# Altium PCB FMC_DAC_125M_14B_16CHA.PcbDoc (part 1 of 9) (continued)
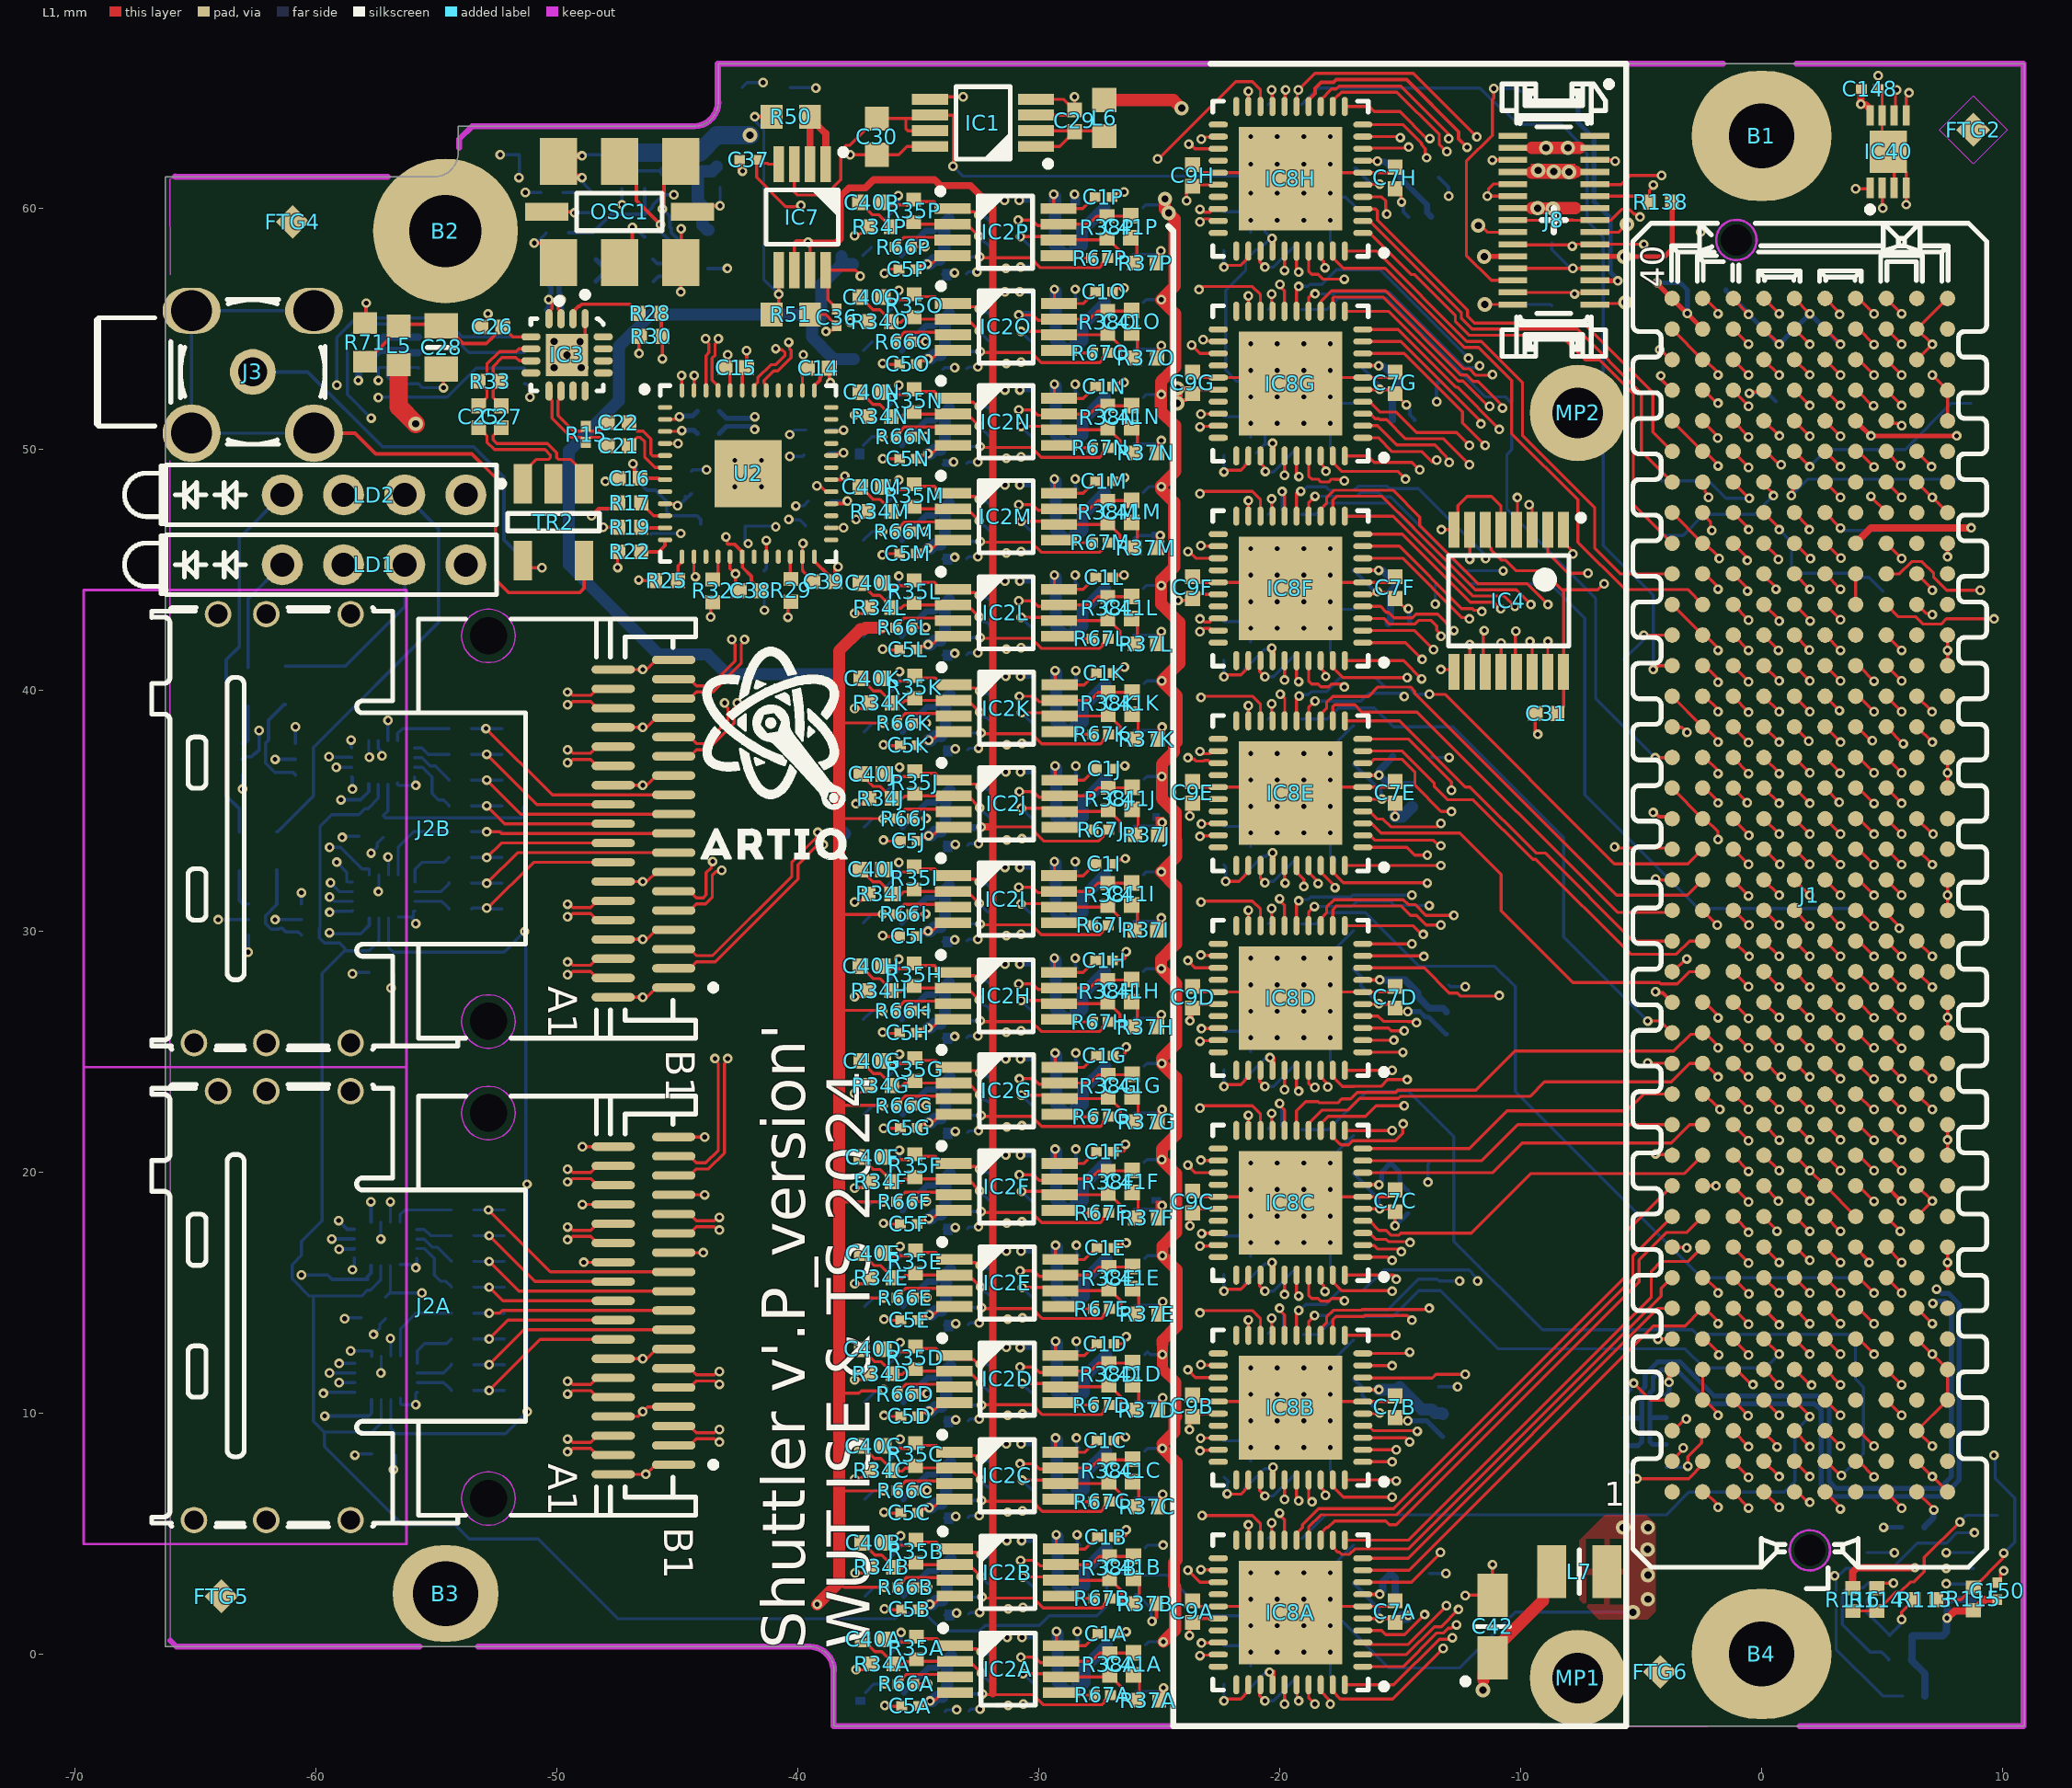
[diagram p0: L1 view]
## Classes and differential pairs
channel class AFE_Buffer: AFE_buffers0 AFE_buffers1
net class AFE1_CTRL_VADJ_[7..0]: AFE1_CTRL_VADJ_0 AFE1_CTRL_VADJ_1 AFE1_CTRL_VADJ_2 AFE1_CTRL_VADJ_3 AFE1_CTRL_VADJ_4 AFE1_CTRL_VADJ_5 AFE1_CTRL_VADJ_6 AFE1_CTRL_VADJ_7
net class AFE1_CTRL_[7..0]: AFE1_CTRL_0 AFE1_CTRL_1 AFE1_CTRL_2 AFE1_CTRL_3 AFE1_CTRL_4 AFE1_CTRL_5 AFE1_CTRL_6 AFE1_CTRL_7
net class AFE0_CTRL_VADJ_[7..0]: AFE0_CTRL_VADJ_0 AFE0_CTRL_VADJ_1 AFE0_CTRL_VADJ_2 AFE0_CTRL_VADJ_3 AFE0_CTRL_VADJ_4 AFE0_CTRL_VADJ_5 AFE0_CTRL_VADJ_6 AFE0_CTRL_VADJ_7
net class AFE0_CTRL_[7..0]: AFE0_CTRL_0 AFE0_CTRL_1 AFE0_CTRL_2 AFE0_CTRL_3 AFE0_CTRL_4 AFE0_CTRL_5 AFE0_CTRL_6 AFE0_CTRL_7
component class U_References: C29 C30 C36 C37 IC1 IC7 L6 R50 R51
component class AFE_buffers1: C32B C33B C34B C35B IC5B IC6B R40B R41B R42B R43B R44B R45B R46B R47B R48B R49B R60B R61B R62B R63B R64B R65B
component class AFE_buffers0: C32A C33A C34A C35A IC5A IC6A R40A R41A R42A R43A R44A R45A R46A R47A R48A R49A R60A R61A R62A R63A R64A R65A
component class U_DACs7: C7H C8H C9H C10H C12H C43H IC8H R3H R4H R11H R68H
component class U_DACs6: C7G C8G C9G C10G C12G C43G IC8G R3G R4G R11G R68G
component class U_DACs5: C7F C8F C9F C10F C12F C43F IC8F R3F R4F R11F R68F
component class U_DACs4: C7E C8E C9E C10E C12E C43E IC8E R3E R4E R11E R68E
channel class SAS_Connectors: U_SAS_Connectors0 U_SAS_Connectors1
channel class DACs: U_DACs0 U_DACs1 U_DACs2 U_DACs3 U_DACs4 U_DACs5 U_DACs6 U_DACs7
channel class DAC_AFE: U_DAC_AFE0 U_DAC_AFE1 U_DAC_AFE2 U_DAC_AFE3 U_DAC_AFE4 U_DAC_AFE5 U_DAC_AFE6 U_DAC_AFE7 U_DAC_AFE8 U_DAC_AFE9 U_DAC_AFE10 U_DAC_AFE11 U_DAC_AFE12 U_DAC_AFE13 U_DAC_AFE14 U_DAC_AFE15
component class U_Clock_circuit: C13 C14 C15 C16 C17 C18 C19 C20 C21 C22 C23 C24 C25 C26 C27 C28 C38 C39 C113 IC3 J3 L3 L4 L5 OSC1 R5 R6 R8 R9 R10 R14 R15 R16 R17 R18 R19 R20 R21 R22 R23 R24 R25 R26 R27 R28 R29 R30 R31 R32 R33 R69 R70 R71 TP1 TP2 TR2 U2
component class U_SAS_Connectors1: J2B
component class U_SAS_Connectors0: J2A
component class U_DACs1: C7B C8B C9B C10B C12B C43B IC8B R3B R4B R11B R68B
component class U_DACs0: C7A C8A C9A C10A C12A C43A IC8A R3A R4A R11A R68A
component class U_DACs3: C7D C8D C9D C10D C12D C43D IC8D R3D R4D R11D R68D
component class U_DACs2: C7C C8C C9C C10C C12C C43C IC8C R3C R4C R11C R68C
component class U_DAC_AFE15: C1P C2P C3P C4P C5P C6P C11P C40P C41P IC2P L1P L2P R1P R2P R34P R35P R36P R37P R38P R39P R66P R67P
component class U_DAC_AFE14: C1O C2O C3O C4O C5O C6O C11O C40O C41O IC2O L1O L2O R1O R2O R34O R35O R36O R37O R38O R39O R66O R67O
component class U_DAC_AFE13: C1N C2N C3N C4N C5N C6N C11N C40N C41N IC2N L1N L2N R1N R2N R34N R35N R36N R37N R38N R39N R66N R67N
component class U_DAC_AFE12: C1M C2M C3M C4M C5M C6M C11M C40M C41M IC2M L1M L2M R1M R2M R34M R35M R36M R37M R38M R39M R66M R67M
component class U_DAC_AFE11: C1L C2L C3L C4L C5L C6L C11L C40L C41L IC2L L1L L2L R1L R2L R34L R35L R36L R37L R38L R39L R66L R67L
component class U_DAC_AFE10: C1K C2K C3K C4K C5K C6K C11K C40K C41K IC2K L1K L2K R1K R2K R34K R35K R36K R37K R38K R39K R66K R67K
component class U_DAC_AFE9: C1J C2J C3J C4J C5J C6J C11J C40J C41J IC2J L1J L2J R1J R2J R34J R35J R36J R37J R38J R39J R66J R67J
component class U_DAC_AFE8: C1I C2I C3I C4I C5I C6I C11I C40I C41I IC2I L1I L2I R1I R2I R34I R35I R36I R37I R38I R39I R66I R67I
component class U_DAC_AFE7: C1H C2H C3H C4H C5H C6H C11H C40H C41H IC2H L1H L2H R1H R2H R34H R35H R36H R37H R38H R39H R66H R67H
component class U_DAC_AFE6: C1G C2G C3G C4G C5G C6G C11G C40G C41G IC2G L1G L2G R1G R2G R34G R35G R36G R37G R38G R39G R66G R67G
component class U_DAC_AFE5: C1F C2F C3F C4F C5F C6F C11F C40F C41F IC2F L1F L2F R1F R2F R34F R35F R36F R37F R38F R39F R66F R67F
component class U_DAC_AFE4: C1E C2E C3E C4E C5E C6E C11E C40E C41E IC2E L1E L2E R1E R2E R34E R35E R36E R37E R38E R39E R66E R67E
component class U_DAC_AFE3: C1D C2D C3D C4D C5D C6D C11D C40D C41D IC2D L1D L2D R1D R2D R34D R35D R36D R37D R38D R39D R66D R67D
component class U_DAC_AFE2: C1C C2C C3C C4C C5C C6C C11C C40C C41C IC2C L1C L2C R1C R2C R34C R35C R36C R37C R38C R39C R66C R67C
component class U_DAC_AFE1: C1B C2B C3B C4B C5B C6B C11B C40B C41B IC2B L1B L2B R1B R2B R34B R35B R36B R37B R38B R39B R66B R67B
component class U_DAC_AFE0: C1A C2A C3A C4A C5A C6A C11A C40A C41A IC2A L1A L2A R1A R2A R34A R35A R36A R37A R38A R39A R66A R67A
component class FMC_DAC_125M_14B_16CHA: C31 IC4 LD1 LD2 R52 R53 R58 R59 T1 T2 TP4 TP5 TP6 TP7 TP8 TP9 TP10 TP11
pad class Direc: B3-1 B4-1 J3-37 J3-38
pad class SMA: J6-2 J7-2
component class "U_FMC connector": B1 B2 B3 B4 J1 R7 R12 R54 R55 R56 R57 TP3
component class U_EEPROM_Temp: B14 B15 C148 C149 C150 FTG1 FTG2 FTG3 FTG4 FTG5 FTG6 IC38 IC39 IC40 R105 R111 R112 R113 R114 R115 R116
component class U_power_supply: C42 C275 J8 L7 MP1 MP2 R138 TP43 TP44
differential pair DCXO: +DCXO_P -DCXO_N
differential pair CLK1_M2C: +CLK1_M2C_P -CLK1_M2C_N
differential pair CLK0_M2C: +CLK0_M2C_P -CLK0_M2C_N
differential pair DAC_QOUTH: +DAC_QOUTH_P -DAC_QOUTH_N
differential pair DAC_QOUTG: +DAC_QOUTG_P -DAC_QOUTG_N
differential pair DAC_QOUTF: +DAC_QOUTF_P -DAC_QOUTF_N
differential pair DAC_QOUTE: +DAC_QOUTE_P -DAC_QOUTE_N
differential pair DAC_QOUTD: +DAC_QOUTD_P -DAC_QOUTD_N
differential pair DAC_QOUTC: +DAC_QOUTC_P -DAC_QOUTC_N
differential pair DAC_QOUTB: +DAC_QOUTB_P -DAC_QOUTB_N
differential pair DAC_QOUTA: +DAC_QOUTA_P -DAC_QOUTA_N
differential pair DAC_IOUTH: +DAC_IOUTH_P -DAC_IOUTH_N
differential pair DAC_IOUTG: +DAC_IOUTG_P -DAC_IOUTG_N
differential pair DAC_IOUTF: +DAC_IOUTF_P -DAC_IOUTF_N
differential pair DAC_IOUTE: +DAC_IOUTE_P -DAC_IOUTE_N
differential pair DAC_IOUTD: +DAC_IOUTD_P -DAC_IOUTD_N
differential pair DAC_IOUTC: +DAC_IOUTC_P -DAC_IOUTC_N
differential pair DAC_IOUTB: +DAC_IOUTB_P -DAC_IOUTB_N
differential pair DAC_IOUTA: +DAC_IOUTA_P -DAC_IOUTA_N
differential pair FPGA_CLK2: +FPGA_CLK2_P -FPGA_CLK2_N
differential pair CK_MCX: +CK_MCX_P -CK_MCX_N
differential pair REFB: +REFB_P -REFB_N
differential pair REFA: +REFA_P -REFA_N
differential pair DCXO_C: +DCXO_C_P -DCXO_C_N
differential pair AOUT7B: +AOUT7B_P -AOUT7B_N
differential pair AOUT7A: +AOUT7A_P -AOUT7A_N
differential pair AOUT6B: +AOUT6B_P -AOUT6B_N
differential pair AOUT6A: +AOUT6A_P -AOUT6A_N
differential pair AOUT5B: +AOUT5B_P -AOUT5B_N
differential pair AOUT5A: +AOUT5A_P -AOUT5A_N
differential pair AOUT4B: +AOUT4B_P -AOUT4B_N
differential pair AOUT4A: +AOUT4A_P -AOUT4A_N
differential pair AOUT3B: +AOUT3B_P -AOUT3B_N
differential pair AOUT3A: +AOUT3A_P -AOUT3A_N
differential pair AOUT2B: +AOUT2B_P -AOUT2B_N
differential pair AOUT2A: +AOUT2A_P -AOUT2A_N
differential pair AOUT1B: +AOUT1B_P -AOUT1B_N
differential pair AOUT1A: +AOUT1A_P -AOUT1A_N
differential pair AOUT0B: +AOUT0B_P -AOUT0B_N
differential pair AOUT0A: +AOUT0A_P -AOUT0A_N

## Components (designator, comment, footprint, x,y, rotation, side; value= is the part's Value field where it differs from the comment)
B1 "Plated Hole" MTG300_600#1 0,63 r0 top locked
B2 "Plated Hole" MTG300_600#2 -54.629,59.054 r0 top locked
B3 "Plated Hole" MTG300_600#3 -54.625,2.504 r0 top locked
B4 "Plated Hole" MTG300_600#1 0,0 r0 top
B14 "SMD Pad" C100 9.785,7.199 r180 bottom
B15 "SMD Pad" C100 9.785,5.756 r90 bottom
C1A "1nF" CAPC0603X33N -27.2,0.833 r0 top (schematic designator C1)
C1B "1nF" CAPC0603X33N -27.21,4.846 r0 top (schematic designator C1)
C1C "1nF" CAPC0603X33N -27.235,8.86 r0 top (schematic designator C1)
C1D "1nF" CAPC0603X33N -27.235,12.873 r0 top (schematic designator C1)
C1E "1nF" CAPC0603X33N -27.235,16.861 r0 top (schematic designator C1)
C1F "1nF" CAPC0603X33N -27.261,20.848 r0 top (schematic designator C1)
C1G "1nF" CAPC0603X33N -27.261,24.836 r0 top (schematic designator C1)
C1H "1nF" CAPC0603X33N -27.286,28.773 r0 top (schematic designator C1)
C1I "1nF" CAPC0603X33N -27.286,32.786 r0 top (schematic designator C1)
C1J "1nF" CAPC0603X33N -27.261,36.749 r0 top (schematic designator C1)
C1K "1nF" CAPC0603X33N -27.261,40.711 r0 top (schematic designator C1)
C1L "1nF" CAPC0603X33N -27.286,44.673 r0 top (schematic designator C1)
C1M "1nF" CAPC0603X33N -27.286,48.661 r0 top (schematic designator C1)
C1N "1nF" CAPC0603X33N -27.286,52.598 r0 top (schematic designator C1)
C1O "1nF" CAPC0603X33N -27.286,56.535 r0 top (schematic designator C1)
C1P "1nF" CAPC0603X33N -27.312,60.472 r0 top (schematic designator C1)
C2A "100nF" CAPC0603X33N -28.637,0.506 r0 bottom (schematic designator C2)
C2B "100nF" CAPC0603X33N -28.647,4.519 r0 bottom (schematic designator C2)
C2C "100nF" CAPC0603X33N -28.672,8.533 r0 bottom (schematic designator C2)
C2D "100nF" CAPC0603X33N -28.672,12.546 r0 bottom (schematic designator C2)
C2E "100nF" CAPC0603X33N -28.672,16.534 r0 bottom (schematic designator C2)
C2F "100nF" CAPC0603X33N -28.698,20.521 r0 bottom (schematic designator C2)
C2G "100nF" CAPC0603X33N -28.698,24.509 r0 bottom (schematic designator C2)
C2H "100nF" CAPC0603X33N -28.723,28.446 r0 bottom (schematic designator C2)
C2I "100nF" CAPC0603X33N -28.723,32.459 r0 bottom (schematic designator C2)
C2J "100nF" CAPC0603X33N -28.698,36.422 r0 bottom (schematic designator C2)
C2K "100nF" CAPC0603X33N -28.698,40.384 r0 bottom (schematic designator C2)
C2L "100nF" CAPC0603X33N -28.723,44.346 r0 bottom (schematic designator C2)
C2M "100nF" CAPC0603X33N -28.723,48.334 r0 bottom (schematic designator C2)
C2N "100nF" CAPC0603X33N -28.723,52.271 r0 bottom (schematic designator C2)
C2O "100nF" CAPC0603X33N -28.723,56.208 r0 bottom (schematic designator C2)
C2P "100nF" CAPC0603X33N -28.748,60.145 r0 bottom (schematic designator C2)
C3A "10uF" CAPMP3216X180N -27.276,-1.555 r0 bottom (schematic designator C3)
C3B "10uF" CAPMP3216X180N -27.286,2.459 r0 bottom (schematic designator C3)
C3C "10uF" CAPMP3216X180N -27.312,6.472 r0 bottom (schematic designator C3)
C3D "10uF" CAPMP3216X180N -27.312,10.485 r0 bottom (schematic designator C3)
C3E "10uF" CAPMP3216X180N -27.312,14.473 r0 bottom (schematic designator C3)
C3F "10uF" CAPMP3216X180N -27.337,18.461 r0 bottom (schematic designator C3)
C3G "10uF" CAPMP3216X180N -27.337,22.448 r0 bottom (schematic designator C3)
C3H "10uF" CAPMP3216X180N -27.362,26.385 r0 bottom (schematic designator C3)
C3I "10uF" CAPMP3216X180N -27.362,30.399 r0 bottom (schematic designator C3)
C3J "10uF" CAPMP3216X180N -27.337,34.361 r0 bottom (schematic designator C3)
C3K "10uF" CAPMP3216X180N -27.337,38.323 r0 bottom (schematic designator C3)
C3L "10uF" CAPMP3216X180N -27.362,42.286 r0 bottom (schematic designator C3)
C3M "10uF" CAPMP3216X180N -27.362,46.274 r0 bottom (schematic designator C3)
C3N "10uF" CAPMP3216X180N -27.362,50.211 r0 bottom (schematic designator C3)
C3O "10uF" CAPMP3216X180N -27.362,54.148 r0 bottom (schematic designator C3)
C3P "10uF" CAPMP3216X180N -27.388,58.085 r0 bottom (schematic designator C3)
C4A "1nF" CAPC0603X33N -33.89,-2.037 r270 bottom (schematic designator C4)
C4B "1nF" CAPC0603X33N -33.9,1.976 r270 bottom (schematic designator C4)
C4C "1nF" CAPC0603X33N -33.925,5.989 r270 bottom (schematic designator C4)
C4D "1nF" CAPC0603X33N -33.925,10.003 r270 bottom (schematic designator C4)
C4E "1nF" CAPC0603X33N -33.925,13.99 r270 bottom (schematic designator C4)
C4F "1nF" CAPC0603X33N -33.951,17.978 r270 bottom (schematic designator C4)
C4G "1nF" CAPC0603X33N -33.951,21.966 r270 bottom (schematic designator C4)
C4H "1nF" CAPC0603X33N -33.976,25.903 r270 bottom (schematic designator C4)
C4I "1nF" CAPC0603X33N -33.976,29.916 r270 bottom (schematic designator C4)
C4J "1nF" CAPC0603X33N -33.951,33.878 r270 bottom (schematic designator C4)
C4K "1nF" CAPC0603X33N -33.951,37.841 r270 bottom (schematic designator C4)
C4L "1nF" CAPC0603X33N -33.976,41.803 r270 bottom (schematic designator C4)
C4M "1nF" CAPC0603X33N -33.976,45.791 r270 bottom (schematic designator C4)
C4N "1nF" CAPC0603X33N -33.976,49.728 r270 bottom (schematic designator C4)
C4O "1nF" CAPC0603X33N -33.976,53.665 r270 bottom (schematic designator C4)
C4P "1nF" CAPC0603X33N -34.002,57.602 r270 bottom (schematic designator C4)
C5A "100nF" CAPC0603X33N -35.338,-2.164 r180 top (schematic designator C5)
C5B "100nF" CAPC0603X33N -35.348,1.849 r180 top (schematic designator C5)
C5C "100nF" CAPC0603X33N -35.373,5.862 r180 top (schematic designator C5)
C5D "100nF" CAPC0603X33N -35.373,9.876 r180 top (schematic designator C5)
C5E "100nF" CAPC0603X33N -35.373,13.863 r180 top (schematic designator C5)
C5F "100nF" CAPC0603X33N -35.399,17.851 r180 top (schematic designator C5)
C5G "100nF" CAPC0603X33N -35.399,21.839 r180 top (schematic designator C5)
C5H "100nF" CAPC0603X33N -35.424,25.776 r180 top (schematic designator C5)
C5I "100nF" CAPC0603X33N -35.424,29.789 r180 top (schematic designator C5)
C5J "100nF" CAPC0603X33N -35.399,33.751 r180 top (schematic designator C5)
C5K "100nF" CAPC0603X33N -35.399,37.714 r180 top (schematic designator C5)
C5L "100nF" CAPC0603X33N -35.424,41.676 r180 top (schematic designator C5)
C5M "100nF" CAPC0603X33N -35.424,45.664 r180 top (schematic designator C5)
C5N "100nF" CAPC0603X33N -35.424,49.601 r180 top (schematic designator C5)
C5O "100nF" CAPC0603X33N -35.424,53.538 r180 top (schematic designator C5)
C5P "100nF" CAPC0603X33N -35.449,57.475 r180 top (schematic designator C5)
C6A "10uF" CAPMP3216X180N -34.932,-0.081 r0 bottom (schematic designator C6)
C6B "10uF" CAPMP3216X180N -34.941,3.932 r0 bottom (schematic designator C6)
C6C "10uF" CAPMP3216X180N -34.967,7.945 r0 bottom (schematic designator C6)
C6D "10uF" CAPMP3216X180N -34.967,11.958 r0 bottom (schematic designator C6)
C6E "10uF" CAPMP3216X180N -34.967,15.946 r0 bottom (schematic designator C6)
C6F "10uF" CAPMP3216X180N -34.992,19.934 r0 bottom (schematic designator C6)
C6G "10uF" CAPMP3216X180N -34.992,23.922 r0 bottom (schematic designator C6)
C6H "10uF" CAPMP3216X180N -35.018,27.859 r0 bottom (schematic designator C6)
C6I "10uF" CAPMP3216X180N -35.018,31.872 r0 bottom (schematic designator C6)
C6J "10uF" CAPMP3216X180N -34.992,35.834 r0 bottom (schematic designator C6)
C6K "10uF" CAPMP3216X180N -34.992,39.797 r0 bottom (schematic designator C6)
C6L "10uF" CAPMP3216X180N -35.018,43.759 r0 bottom (schematic designator C6)
C6M "10uF" CAPMP3216X180N -35.018,47.747 r0 bottom (schematic designator C6)
C6N "10uF" CAPMP3216X180N -35.018,51.684 r0 bottom (schematic designator C6)
C6O "10uF" CAPMP3216X180N -35.018,55.621 r0 bottom (schematic designator C6)
C6P "10uF" CAPMP3216X180N -35.043,59.558 r0 bottom (schematic designator C6)
C7A "100nF" CAPC1005X55N -15.215,1.756 r90 top (schematic designator C7)
C7B "100nF" CAPC1005X55N -15.215,10.256 r90 top (schematic designator C7)
C7C "100nF" CAPC1005X55N -15.209,18.804 r90 top (schematic designator C7)
C7D "100nF" CAPC1005X55N -15.215,27.256 r90 top (schematic designator C7)
C7E "100nF" CAPC1005X55N -15.215,35.756 r90 top (schematic designator C7)
C7F "100nF" CAPC1005X55N -15.215,44.256 r90 top (schematic designator C7)
C7G "100nF" CAPC1005X55N -15.215,52.756 r90 top (schematic designator C7)
C7H "100nF" CAPC1005X55N -15.215,61.256 r90 top (schematic designator C7)
C8A "100nF" CAPC1005X55N -20.927,4.797 r180 bottom (schematic designator C8)
C8B "100nF" CAPC1005X55N -21.015,21.656 r180 bottom (schematic designator C8)
C8C "100nF" CAPC1005X55N -20.815,13.256 r180 bottom (schematic designator C8)
C8D "100nF" CAPC1005X55N -20.927,30.297 r180 bottom (schematic designator C8)
C8E "100nF" CAPC1005X55N -20.927,38.797 r180 bottom (schematic designator C8)
C8F "100nF" CAPC1005X55N -20.927,47.297 r180 bottom (schematic designator C8)
C8G "100nF" CAPC1005X55N -20.927,55.797 r180 bottom (schematic designator C8)
C8H "100nF" CAPC1005X55N -20.927,64.297 r180 bottom (schematic designator C8)
C9A "100nF" CAPC1005X55N -23.615,1.756 r90 top (schematic designator C9)
C9B "100nF" CAPC1005X55N -23.615,10.294 r90 top (schematic designator C9)
C9C "100nF" CAPC1005X55N -23.615,18.756 r90 top (schematic designator C9)
C9D "100nF" CAPC1005X55N -23.615,27.256 r90 top (schematic designator C9)
C9E "100nF" CAPC1005X55N -23.615,35.756 r90 top (schematic designator C9)
C9F "100nF" CAPC1005X55N -23.615,44.256 r90 top (schematic designator C9)
C9G "100nF" CAPC1005X55N -23.615,52.756 r90 top (schematic designator C9)
C9H "100nF" CAPC1005X55N -23.615,61.361 r90 top (schematic designator C9)
C10A "1uF" CAPC1608X87N -16.927,3.711 r270 bottom (schematic designator C10)
C10B "1uF" CAPC1608X87N -16.927,12.211 r270 bottom (schematic designator C10)
C10C "1uF" CAPC1608X87N -16.927,20.711 r270 bottom (schematic designator C10)
C10D "1uF" CAPC1608X87N -16.927,29.211 r270 bottom (schematic designator C10)
C10E "1uF" CAPC1608X87N -16.927,37.711 r270 bottom (schematic designator C10)
C10F "1uF" CAPC1608X87N -16.939,44.156 r90 bottom (schematic designator C10)
C10G "1uF" CAPC1608X87N -16.721,52.702 r90 bottom (schematic designator C10)
C10H "1uF" CAPC1608X87N -16.864,60.856 r90 bottom (schematic designator C10)
C11A "100nF" CAPC0603X33N -32.9,-2.012 r270 bottom (schematic designator C11)
C11B "100nF" CAPC0603X33N -32.909,2.002 r270 bottom (schematic designator C11)
C11C "100nF" CAPC0603X33N -32.935,6.015 r270 bottom (schematic designator C11)
C11D "100nF" CAPC0603X33N -32.935,10.028 r270 bottom (schematic designator C11)
C11E "100nF" CAPC0603X33N -32.935,14.016 r270 bottom (schematic designator C11)
C11F "100nF" CAPC0603X33N -32.96,18.003 r270 bottom (schematic designator C11)
C11G "100nF" CAPC0603X33N -32.96,21.991 r270 bottom (schematic designator C11)
C11H "100nF" CAPC0603X33N -32.986,25.928 r270 bottom (schematic designator C11)
C11I "100nF" CAPC0603X33N -32.986,29.941 r270 bottom (schematic designator C11)
C11J "100nF" CAPC0603X33N -32.96,33.904 r270 bottom (schematic designator C11)
C11K "100nF" CAPC0603X33N -32.96,37.866 r270 bottom (schematic designator C11)
C11L "100nF" CAPC0603X33N -32.986,41.829 r270 bottom (schematic designator C11)
C11M "100nF" CAPC0603X33N -32.986,45.816 r270 bottom (schematic designator C11)
C11N "100nF" CAPC0603X33N -32.986,49.753 r270 bottom (schematic designator C11)
C11O "100nF" CAPC0603X33N -32.986,53.691 r270 bottom (schematic designator C11)
C11P "100nF" CAPC0603X33N -33.011,57.628 r270 bottom (schematic designator C11)
C12A "100nF" CAPC1005X55N -21.215,-0.944 r90 bottom (schematic designator C12)
C12B "100nF" CAPC1005X55N -21.215,7.556 r90 bottom (schematic designator C12)
C12C "100nF" CAPC1005X55N -21.215,16.056 r90 bottom (schematic designator C12)
C12D "100nF" CAPC1005X55N -21.215,24.556 r90 bottom (schematic designator C12)
C12E "100nF" CAPC1005X55N -21.215,33.056 r90 bottom (schematic designator C12)
C12F "100nF" CAPC1005X55N -21.215,41.556 r90 bottom (schematic designator C12)
C12G "100nF" CAPC1005X55N -21.215,50.056 r90 bottom (schematic designator C12)
C12H "100nF" CAPC1005X55N -21.215,58.48 r90 bottom (schematic designator C12)
C13 "4.7uF" CAPC2012X135N -46.082,47.391 r90 bottom
C14 "1nF" CAPC1005X55N -39.148,53.36 r0 top
C15 "100nF" CAPC1005X55N -42.577,53.386 r0 top
C16 "100nF" CAPC1005X55N -46.997,48.788 r0 top
C17 "100nF" CAPC1005X55N -43.72,50.642 r180 bottom
C18 "100nF" CAPC1005X55N -43.72,51.582 r180 bottom
C19 "1nF" CAPC1005X55N -50.201,60.654 r0 bottom
C20 "4.7uF" CAPC2012X135N -50.656,62.222 r0 bottom
C21 "100nF" CAPC1005X55N -47.454,50.134 r0 top
C22 "100nF" CAPC1005X55N -47.454,51.1 r0 top
C23 "100nF" CAPC1005X55N -48.833,56.969 r180 bottom
C24 "100nF" CAPC1005X55N -48.833,57.874 r180 bottom
C25 "100nF" CAPC1005X55N -53.25,51.346 r90 top
C26 "100nF" CAPC1005X55N -52.7,55.072 r0 top
C27 "100nF" CAPC1005X55N -52.31,51.345 r90 top
C28 "4.7uF" CAPC2012X135N -54.808,54.221 r90 top
C29 "100nF" CAPC1005X55N -28.515,63.626 r90 top
C30 "10uF" CAPC1608X80N -36.725,62.972 r90 top
C31 "100nF" CAPC1005X55N -8.947,39.035 r0 top
C32A "100nF" CAPC1005X55N -58.115,14.406 r90 bottom (schematic designator C32)
C32B "100nF" CAPC1005X55N -58.215,34.385 r90 bottom (schematic designator C32)
C33A "100nF" CAPC1005X55N -56.692,8.695 r90 bottom (schematic designator C33)
C33B "100nF" CAPC1005X55N -56.792,28.674 r90 bottom (schematic designator C33)
C34A "100nF" CAPC1005X55N -57.692,8.756 r90 bottom (schematic designator C34)
C34B "100nF" CAPC1005X55N -57.792,28.735 r90 bottom (schematic designator C34)
C35A "100nF" CAPC1005X55N -57.114,14.36 r90 bottom (schematic designator C35)
C35B "100nF" CAPC1005X55N -57.214,34.339 r90 bottom (schematic designator C35)
C36 "100nF" CAPC0603X33N -38.384,55.466 r90 top
C37 "100nF" CAPC0603X33N -42.065,62.004 r0 top
C38 "1nF" CAPC1005X55N -41.986,44.122 r0 top
C39 "100nF" CAPC1005X55N -38.92,44.501 r0 top
C40A "33pF" CAPC1005X61N -36.855,0.604 r0 top (schematic designator C40)
C40B "33pF" CAPC1005X61N -36.865,4.618 r0 top (schematic designator C40)
C40C "33pF" CAPC1005X61N -36.89,8.631 r0 top (schematic designator C40)
C40D "33pF" CAPC1005X61N -36.89,12.644 r0 top (schematic designator C40)
C40E "33pF" CAPC1005X61N -36.89,16.632 r0 top (schematic designator C40)
C40F "33pF" CAPC1005X61N -36.915,20.62 r0 top (schematic designator C40)
C40G "33pF" CAPC1005X61N -36.915,24.607 r0 top (schematic designator C40)
C40H "33pF" CAPC1005X61N -36.941,28.544 r0 top (schematic designator C40)
C40I "33pF" CAPC1005X61N -36.941,32.558 r0 top (schematic designator C40)
C40J "33pF" CAPC1005X61N -36.915,36.52 r0 top (schematic designator C40)
C40K "33pF" CAPC1005X61N -36.915,40.482 r0 top (schematic designator C40)
C40L "33pF" CAPC1005X61N -36.941,44.445 r0 top (schematic designator C40)
C40M "33pF" CAPC1005X61N -36.941,48.433 r0 top (schematic designator C40)
C40N "33pF" CAPC1005X61N -36.941,52.37 r0 top (schematic designator C40)
C40O "33pF" CAPC1005X61N -36.941,56.307 r0 top (schematic designator C40)
C40P "33pF" CAPC1005X61N -36.966,60.244 r0 top (schematic designator C40)
C41A "33pF" CAPC1005X61N -26.067,-0.412 r90 top (schematic designator C41)
C41B "33pF" CAPC1005X61N -26.077,3.602 r90 top (schematic designator C41)
C41C "33pF" CAPC1005X61N -26.102,7.615 r90 top (schematic designator C41)
C41D "33pF" CAPC1005X61N -26.102,11.628 r90 top (schematic designator C41)
C41E "33pF" CAPC1005X61N -26.102,15.616 r90 top (schematic designator C41)
C41F "33pF" CAPC1005X61N -26.128,19.604 r90 top (schematic designator C41)
C41G "33pF" CAPC1005X61N -26.128,23.591 r90 top (schematic designator C41)
C41H "33pF" CAPC1005X61N -26.153,27.528 r90 top (schematic designator C41)
C41I "33pF" CAPC1005X61N -26.153,31.542 r90 top (schematic designator C41)
C41J "33pF" CAPC1005X61N -26.128,35.504 r90 top (schematic designator C41)
C41K "33pF" CAPC1005X61N -26.128,39.466 r90 top (schematic designator C41)
C41L "33pF" CAPC1005X61N -26.153,43.429 r90 top (schematic designator C41)
C41M "33pF" CAPC1005X61N -26.153,47.417 r90 top (schematic designator C41)
C41N "33pF" CAPC1005X61N -26.153,51.354 r90 top (schematic designator C41)
C41O "33pF" CAPC1005X61N -26.153,55.291 r90 top (schematic designator C41)
C41P "33pF" CAPC1005X61N -26.178,59.228 r90 top (schematic designator C41)
C42 "100uF" CAPMP3216X180N -11.168,1.137 r90 top
C43A "1uF" CAPC1608X87N -14.597,3.337 r180 bottom (schematic designator C43)
C43B "1uF" CAPC1608X87N -14.214,11.084 r180 bottom (schematic designator C43)
C43C "1uF" CAPC1608X87N -14.597,20.372 r180 bottom (schematic designator C43)
C43D "1uF" CAPC1608X87N -13.797,27.772 r180 bottom (schematic designator C43)
C43E "1uF" CAPC1608X87N -14.515,37.247 r180 bottom (schematic designator C43)
C43F "1uF" CAPC1608X87N -14.348,44.353 r180 bottom (schematic designator C43)
C43G "1uF" CAPC1608X87N -14.214,52.74 r180 bottom (schematic designator C43)
C43H "1uF" CAPC1608X87N -14.19,61.271 r180 bottom (schematic designator C43)
C113 "100nF" CAPC0603X33N -51.315,45.41 r90 bottom
C148 "100nF" CAPC0603X33N 4.489,64.951 r0 top
C149 "100nF" CAPC0603X33N -57.392,53.741 r270 bottom
C150 "100nF" CAPC0603X33N 9.785,2.606 r90 top
C275 "100uF" CAPMP3216X180N -8.715,57.256 r90 bottom
FTG1 "Use only in PCB" FIDUCIAL_TOP_S100-200#1 8.785,63.256 r90 bottom
FTG2 "Use only in PCB" FIDUCIAL_TOP_S100-200#1 8.785,63.256 r90 top
FTG3 "Use only in PCB" FIDUCIAL_TOP_S100-200#2 -63.628,59.14 r90 bottom
FTG4 "Use only in PCB" FIDUCIAL_TOP_S100-200#2 -60.967,59.431 r90 top
FTG5 "Use only in PCB" FIDUCIAL_TOP_S100-200#2 -63.925,2.39 r90 top
FTG6 "Use only in PCB" FIDUCIAL_TOP_S100-200#2 -4.215,-0.744 r90 top
IC1 "LTC6655BHMS8-1.25#PBF" SOP65P490X110-8N -32.314,63.542 r180 top
IC2A "ADA4896-2ARMZ" SOP65P490X110-8N -31.274,-0.63 r0 top (schematic designator IC2)
IC2B "ADA4896-2ARMZ" SOP65P490X110-8N -31.284,3.383 r0 top (schematic designator IC2)
IC2C "ADA4896-2ARMZ" SOP65P490X110-8N -31.309,7.396 r0 top (schematic designator IC2)
IC2D "ADA4896-2ARMZ" SOP65P490X110-8N -31.309,11.409 r0 top (schematic designator IC2)
IC2E "ADA4896-2ARMZ" SOP65P490X110-8N -31.309,15.397 r0 top (schematic designator IC2)
IC2F "ADA4896-2ARMZ" SOP65P490X110-8N -31.335,19.385 r0 top (schematic designator IC2)
IC2G "ADA4896-2ARMZ" SOP65P490X110-8N -31.335,23.373 r0 top (schematic designator IC2)
IC2H "ADA4896-2ARMZ" SOP65P490X110-8N -31.36,27.31 r0 top (schematic designator IC2)
IC2I "ADA4896-2ARMZ" SOP65P490X110-8N -31.36,31.323 r0 top (schematic designator IC2)
IC2J "ADA4896-2ARMZ" SOP65P490X110-8N -31.335,35.285 r0 top (schematic designator IC2)
IC2K "ADA4896-2ARMZ" SOP65P490X110-8N -31.335,39.248 r0 top (schematic designator IC2)
IC2L "ADA4896-2ARMZ" SOP65P490X110-8N -31.36,43.21 r0 top (schematic designator IC2)
IC2M "ADA4896-2ARMZ" SOP65P490X110-8N -31.36,47.198 r0 top (schematic designator IC2)
IC2N "ADA4896-2ARMZ" SOP65P490X110-8N -31.36,51.135 r0 top (schematic designator IC2)
IC2O "ADA4896-2ARMZ" SOP65P490X110-8N -31.36,55.072 r0 top (schematic designator IC2)
IC2P "ADA4896-2ARMZ" SOP65P490X110-8N -31.385,59.009 r0 top (schematic designator IC2)
IC3 "Si53340-B-GM" QFN50P300X300X90-17N-S175 -49.581,53.914 r270 top
IC4 "SN74LVC138APW" SOP65P640X110-16N -10.497,43.708 r270 top
IC5A "SN74AVC4T245RSVR" QFN40P180X260X55-16N -57.092,11.457 r90 bottom (schematic designator IC5)
IC5B "SN74AVC4T245RSVR" QFN40P180X260X55-16N -57.192,31.436 r90 bottom (schematic designator IC5)
IC6A "SN74AVC4T245RSVR" QFN40P180X260X55-16N -57.114,17.021 r90 bottom (schematic designator IC6)
IC6B "SN74AVC4T245RSVR" QFN40P180X260X55-16N -57.214,37 r90 bottom (schematic designator IC6)
IC7 "ADA4896-2ARMZ" SOP65P490X110-8N -39.821,59.63 r270 top
IC8A "AD9117BCPZ" CP-40-1_N -19.552,1.722 r180 top (schematic designator IC8)
IC8B "AD9117BCPZ" CP-40-1_N -19.552,10.222 r180 top (schematic designator IC8)
IC8C "AD9117BCPZ" CP-40-1_N -19.552,18.722 r180 top (schematic designator IC8)
IC8D "AD9117BCPZ" CP-40-1_N -19.552,27.222 r180 top (schematic designator IC8)
IC8E "AD9117BCPZ" CP-40-1_N -19.552,35.722 r180 top (schematic designator IC8)
IC8F "AD9117BCPZ" CP-40-1_N -19.552,44.222 r180 top (schematic designator IC8)
IC8G "AD9117BCPZ" CP-40-1_N -19.552,52.722 r180 top (schematic designator IC8)
IC8H "AD9117BCPZ" CP-40-1_N -19.552,61.222 r180 top (schematic designator IC8)
IC38 "LM75AIMM/NOPB" SOP65P490X109-8N -53.545,53.686 r180 bottom
IC39 "LM75AIMM/NOPB" SOP65P490X109-8N 6.585,3.231 r0 bottom
IC40 "24AA64T-I/MC" SON50P300X200X100-9N-S175X155 5.251,62.348 r90 top
J1 "VITA 57" SAMTEC_ASP-134488-01 2,31.491 r270 top locked
J2A "iPass™" MOLEX_75783-0107 -46.41,14.454 r270 top locked (schematic designator J2)
J2B "iPass™" MOLEX_75783-0107 -46.41,34.254 r270 top locked (schematic designator J2)
J3 "MCX" AMPHENOL_919-383J-51A -62.625,53.204 r180 top
J8 "SlimStack™" MOLEX_53748-0308 -8.625,59.504 r270 top locked
L1A "120R@100MHz" INDC1608X95N -26.372,0.386 r0 bottom (schematic designator L1)
L1B "120R@100MHz" INDC1608X95N -26.382,4.399 r0 bottom (schematic designator L1)
L1C "120R@100MHz" INDC1608X95N -26.407,8.412 r0 bottom (schematic designator L1)
L1D "120R@100MHz" INDC1608X95N -26.407,12.425 r0 bottom (schematic designator L1)
L1E "120R@100MHz" INDC1608X95N -26.407,16.413 r0 bottom (schematic designator L1)
L1F "120R@100MHz" INDC1608X95N -26.432,20.401 r0 bottom (schematic designator L1)
L1G "120R@100MHz" INDC1608X95N -26.432,24.389 r0 bottom (schematic designator L1)
L1H "120R@100MHz" INDC1608X95N -26.458,28.326 r0 bottom (schematic designator L1)
L1I "120R@100MHz" INDC1608X95N -26.458,32.339 r0 bottom (schematic designator L1)
L1J "120R@100MHz" INDC1608X95N -26.432,36.301 r0 bottom (schematic designator L1)
L1K "120R@100MHz" INDC1608X95N -26.432,40.264 r0 bottom (schematic designator L1)
L1L "120R@100MHz" INDC1608X95N -26.458,44.226 r0 bottom (schematic designator L1)
L1M "120R@100MHz" INDC1608X95N -26.458,48.214 r0 bottom (schematic designator L1)
L1N "120R@100MHz" INDC1608X95N -26.458,52.151 r0 bottom (schematic designator L1)
L1O "120R@100MHz" INDC1608X95N -26.458,56.088 r0 bottom (schematic designator L1)
L1P "120R@100MHz" INDC1608X95N -26.483,60.025 r0 bottom (schematic designator L1)
L2A "120R@100MHz" INDC1608X95N -36.392,-1.605 r0 bottom (schematic designator L2)
L2B "120R@100MHz" INDC1608X95N -36.402,2.408 r0 bottom (schematic designator L2)
L2C "120R@100MHz" INDC1608X95N -36.427,6.421 r0 bottom (schematic designator L2)
L2D "120R@100MHz" INDC1608X95N -36.427,10.434 r0 bottom (schematic designator L2)
L2E "120R@100MHz" INDC1608X95N -36.427,14.422 r0 bottom (schematic designator L2)
L2F "120R@100MHz" INDC1608X95N -36.453,18.41 r0 bottom (schematic designator L2)
L2G "120R@100MHz" INDC1608X95N -36.453,22.398 r0 bottom (schematic designator L2)
L2H "120R@100MHz" INDC1608X95N -36.478,26.335 r0 bottom (schematic designator L2)
L2I "120R@100MHz" INDC1608X95N -36.478,30.348 r0 bottom (schematic designator L2)
L2J "120R@100MHz" INDC1608X95N -36.453,34.31 r0 bottom (schematic designator L2)
L2K "120R@100MHz" INDC1608X95N -36.453,38.273 r0 bottom (schematic designator L2)
L2L "120R@100MHz" INDC1608X95N -36.478,42.235 r0 bottom (schematic designator L2)
L2M "120R@100MHz" INDC1608X95N -36.478,46.223 r0 bottom (schematic designator L2)
L2N "120R@100MHz" INDC1608X95N -36.478,50.16 r0 bottom (schematic designator L2)
L2O "120R@100MHz" INDC1608X95N -36.478,54.097 r0 bottom (schematic designator L2)
L2P "120R@100MHz" INDC1608X95N -36.504,58.034 r0 bottom (schematic designator L2)
L3 "120R@100MHz" INDC1608X95N -42.983,46.807 r0 bottom
L4 "120R@100MHz" INDC1608X65N -47.299,62.298 r180 bottom
L5 "120R@100MHz" INDC1608X95N -56.565,54.306 r270 top
L6 "120R@100MHz" INDC1608X65N -27.283,63.742 r90 top
L7 "1uH" INDC2620X100N -7.569,3.418 r180 top
LD1 "Red/Green" LED_DIALIGHT_571-0112F -61.399,45.204 r0 top
LD2 "Red/Green" LED_DIALIGHT_571-0112F -61.399,48.104 r0 top
MP1 "M1.6x3mm" 9774030633#1 -7.625,-0.996 r0 top
MP2 "M1.6x3mm" 9774030633#2 -7.625,51.504 r0 top locked
OSC1 "0.2-800MHz" OSC_SILICON-LAB_SI549-A -47.405,59.849 r90 top
R1A "0" RESC0603X28N -31.798,-1.72 r90 bottom (schematic designator R1)
R1B "0" RESC0603X28N -31.807,2.294 r90 bottom (schematic designator R1)
R1C "0" RESC0603X28N -31.833,6.307 r90 bottom (schematic designator R1)
R1D "0" RESC0603X28N -31.833,10.32 r90 bottom (schematic designator R1)
R1E "0" RESC0603X28N -31.833,14.308 r90 bottom (schematic designator R1)
R1F "0" RESC0603X28N -31.858,18.296 r90 bottom (schematic designator R1)
R1G "0" RESC0603X28N -31.858,22.283 r90 bottom (schematic designator R1)
R1H "0" RESC0603X28N -31.884,26.22 r90 bottom (schematic designator R1)
R1I "0" RESC0603X28N -31.884,30.234 r90 bottom (schematic designator R1)
R1J "0" RESC0603X28N -31.858,34.196 r90 bottom (schematic designator R1)
R1K "0" RESC0603X28N -31.858,38.158 r90 bottom (schematic designator R1)
R1L "0" RESC0603X28N -31.884,42.121 r90 bottom (schematic designator R1)
R1M "0" RESC0603X28N -31.884,46.109 r90 bottom (schematic designator R1)
R1N "0" RESC0603X28N -31.884,50.046 r90 bottom (schematic designator R1)
R1O "0" RESC0603X28N -31.884,53.983 r90 bottom (schematic designator R1)
R1P "0" RESC0603X28N -31.909,57.92 r90 bottom (schematic designator R1)
R2A "0" RESC0603X28N -30.133,-1.667 r90 bottom (schematic designator R2)
R2B "0" RESC0603X28N -30.143,2.346 r90 bottom (schematic designator R2)
R2C "0" RESC0603X28N -30.168,6.359 r90 bottom (schematic designator R2)
R2D "0" RESC0603X28N -30.168,10.372 r90 bottom (schematic designator R2)
R2E "0" RESC0603X28N -30.168,14.36 r90 bottom (schematic designator R2)
R2F "0" RESC0603X28N -30.193,18.348 r90 bottom (schematic designator R2)
R2G "0" RESC0603X28N -30.193,22.336 r90 bottom (schematic designator R2)
R2H "0" RESC0603X28N -30.219,26.273 r90 bottom (schematic designator R2)
R2I "0" RESC0603X28N -30.219,30.286 r90 bottom (schematic designator R2)
R2J "0" RESC0603X28N -30.193,34.248 r90 bottom (schematic designator R2)
R2K "0" RESC0603X28N -30.193,38.211 r90 bottom (schematic designator R2)
R2L "0" RESC0603X28N -30.219,42.173 r90 bottom (schematic designator R2)
R2M "0" RESC0603X28N -30.219,46.161 r90 bottom (schematic designator R2)
R2N "0" RESC0603X28N -30.219,50.098 r90 bottom (schematic designator R2)
R2O "0" RESC0603X28N -30.219,54.035 r90 bottom (schematic designator R2)
R2P "0" RESC0603X28N -30.244,57.972 r90 bottom (schematic designator R2)
R3A "2k" RESC1608X55N -18.515,-0.944 r0 bottom (schematic designator R3)
R3B "2k" RESC1608X55N -18.515,7.556 r0 bottom (schematic designator R3)
R3C "2k" RESC1608X55N -18.515,16.056 r0 bottom (schematic designator R3)
R3D "2k" RESC1608X55N -18.515,24.556 r0 bottom (schematic designator R3)
R3E "2k" RESC1608X55N -18.515,33.056 r0 bottom (schematic designator R3)
R3F "2k" RESC1608X55N -18.515,41.556 r0 bottom (schematic designator R3)
R3G "2k" RESC1608X55N -18.515,50.056 r0 bottom (schematic designator R3)
R3H "2k" RESC1608X55N -18.515,58.556 r0 bottom (schematic designator R3)
R4A "2k" RESC1608X55N -22.327,-0.453 r90 bottom (schematic designator R4)
R4B "2k" RESC1608X55N -22.308,8.123 r90 bottom (schematic designator R4)
R4C "2k" RESC1608X55N -22.327,16.547 r90 bottom (schematic designator R4)
R4D "2k" RESC1608X55N -22.327,25.047 r90 bottom (schematic designator R4)
R4E "2k" RESC1608X55N -22.327,33.547 r90 bottom (schematic designator R4)
R4F "2k" RESC1608X55N -22.327,42.047 r90 bottom (schematic designator R4)
R4G "2k" RESC1608X55N -22.327,50.547 r90 bottom (schematic designator R4)
R4H "2k" RESC1608X55N -22.327,59.047 r90 bottom (schematic designator R4)
R5 "2k2" RESC1005X40N -48.59,60.265 r90 bottom
R6 "2k2" RESC1005X40N -43.23,61.332 r90 bottom
R7 "10k" RESC1005X40N 6.285,5.256 r0 bottom
R8 "0" RESC1005X40N -46.357,59.279 r270 bottom
R9 "0" RESC1005X40N -46.468,56.969 r180 bottom
R10 "0" RESC1005X40N -49.981,58.983 r0 bottom
R11A "49R9" RESC0603X28N -19.432,4.797 r180 bottom (schematic designator R11)
R11B "49R9" RESC0603X28N -19.345,13.256 r180 bottom (schematic designator R11)
R11C "49R9" RESC0603X28N -19.415,21.756 r180 bottom (schematic designator R11)
R11D "49R9" RESC0603X28N -19.432,30.297 r180 bottom (schematic designator R11)
R11E "49R9" RESC0603X28N -19.432,38.797 r180 bottom (schematic designator R11)
R11F "49R9" RESC0603X28N -19.432,47.297 r180 bottom (schematic designator R11)
R11G "49R9" RESC0603X28N -19.432,55.797 r180 bottom (schematic designator R11)